# Altium PCB 2019.07.15.master.PcbDoc (part 4 of 7)
Units mm, origin at the board's own origin, x right, y up, seen from the top; angles counter-clockwise.
Board outline 160 x 120 mm, 6 copper layers (Top Signal, Top GND, Inner PWR, Inner Signal, Bottom GND, Bottom Signal), stack 1.571 mm thick; 408 components, 388 nets, 1700 pads, 1310 vias.
Unrouted connection lines stored in the file: 2.
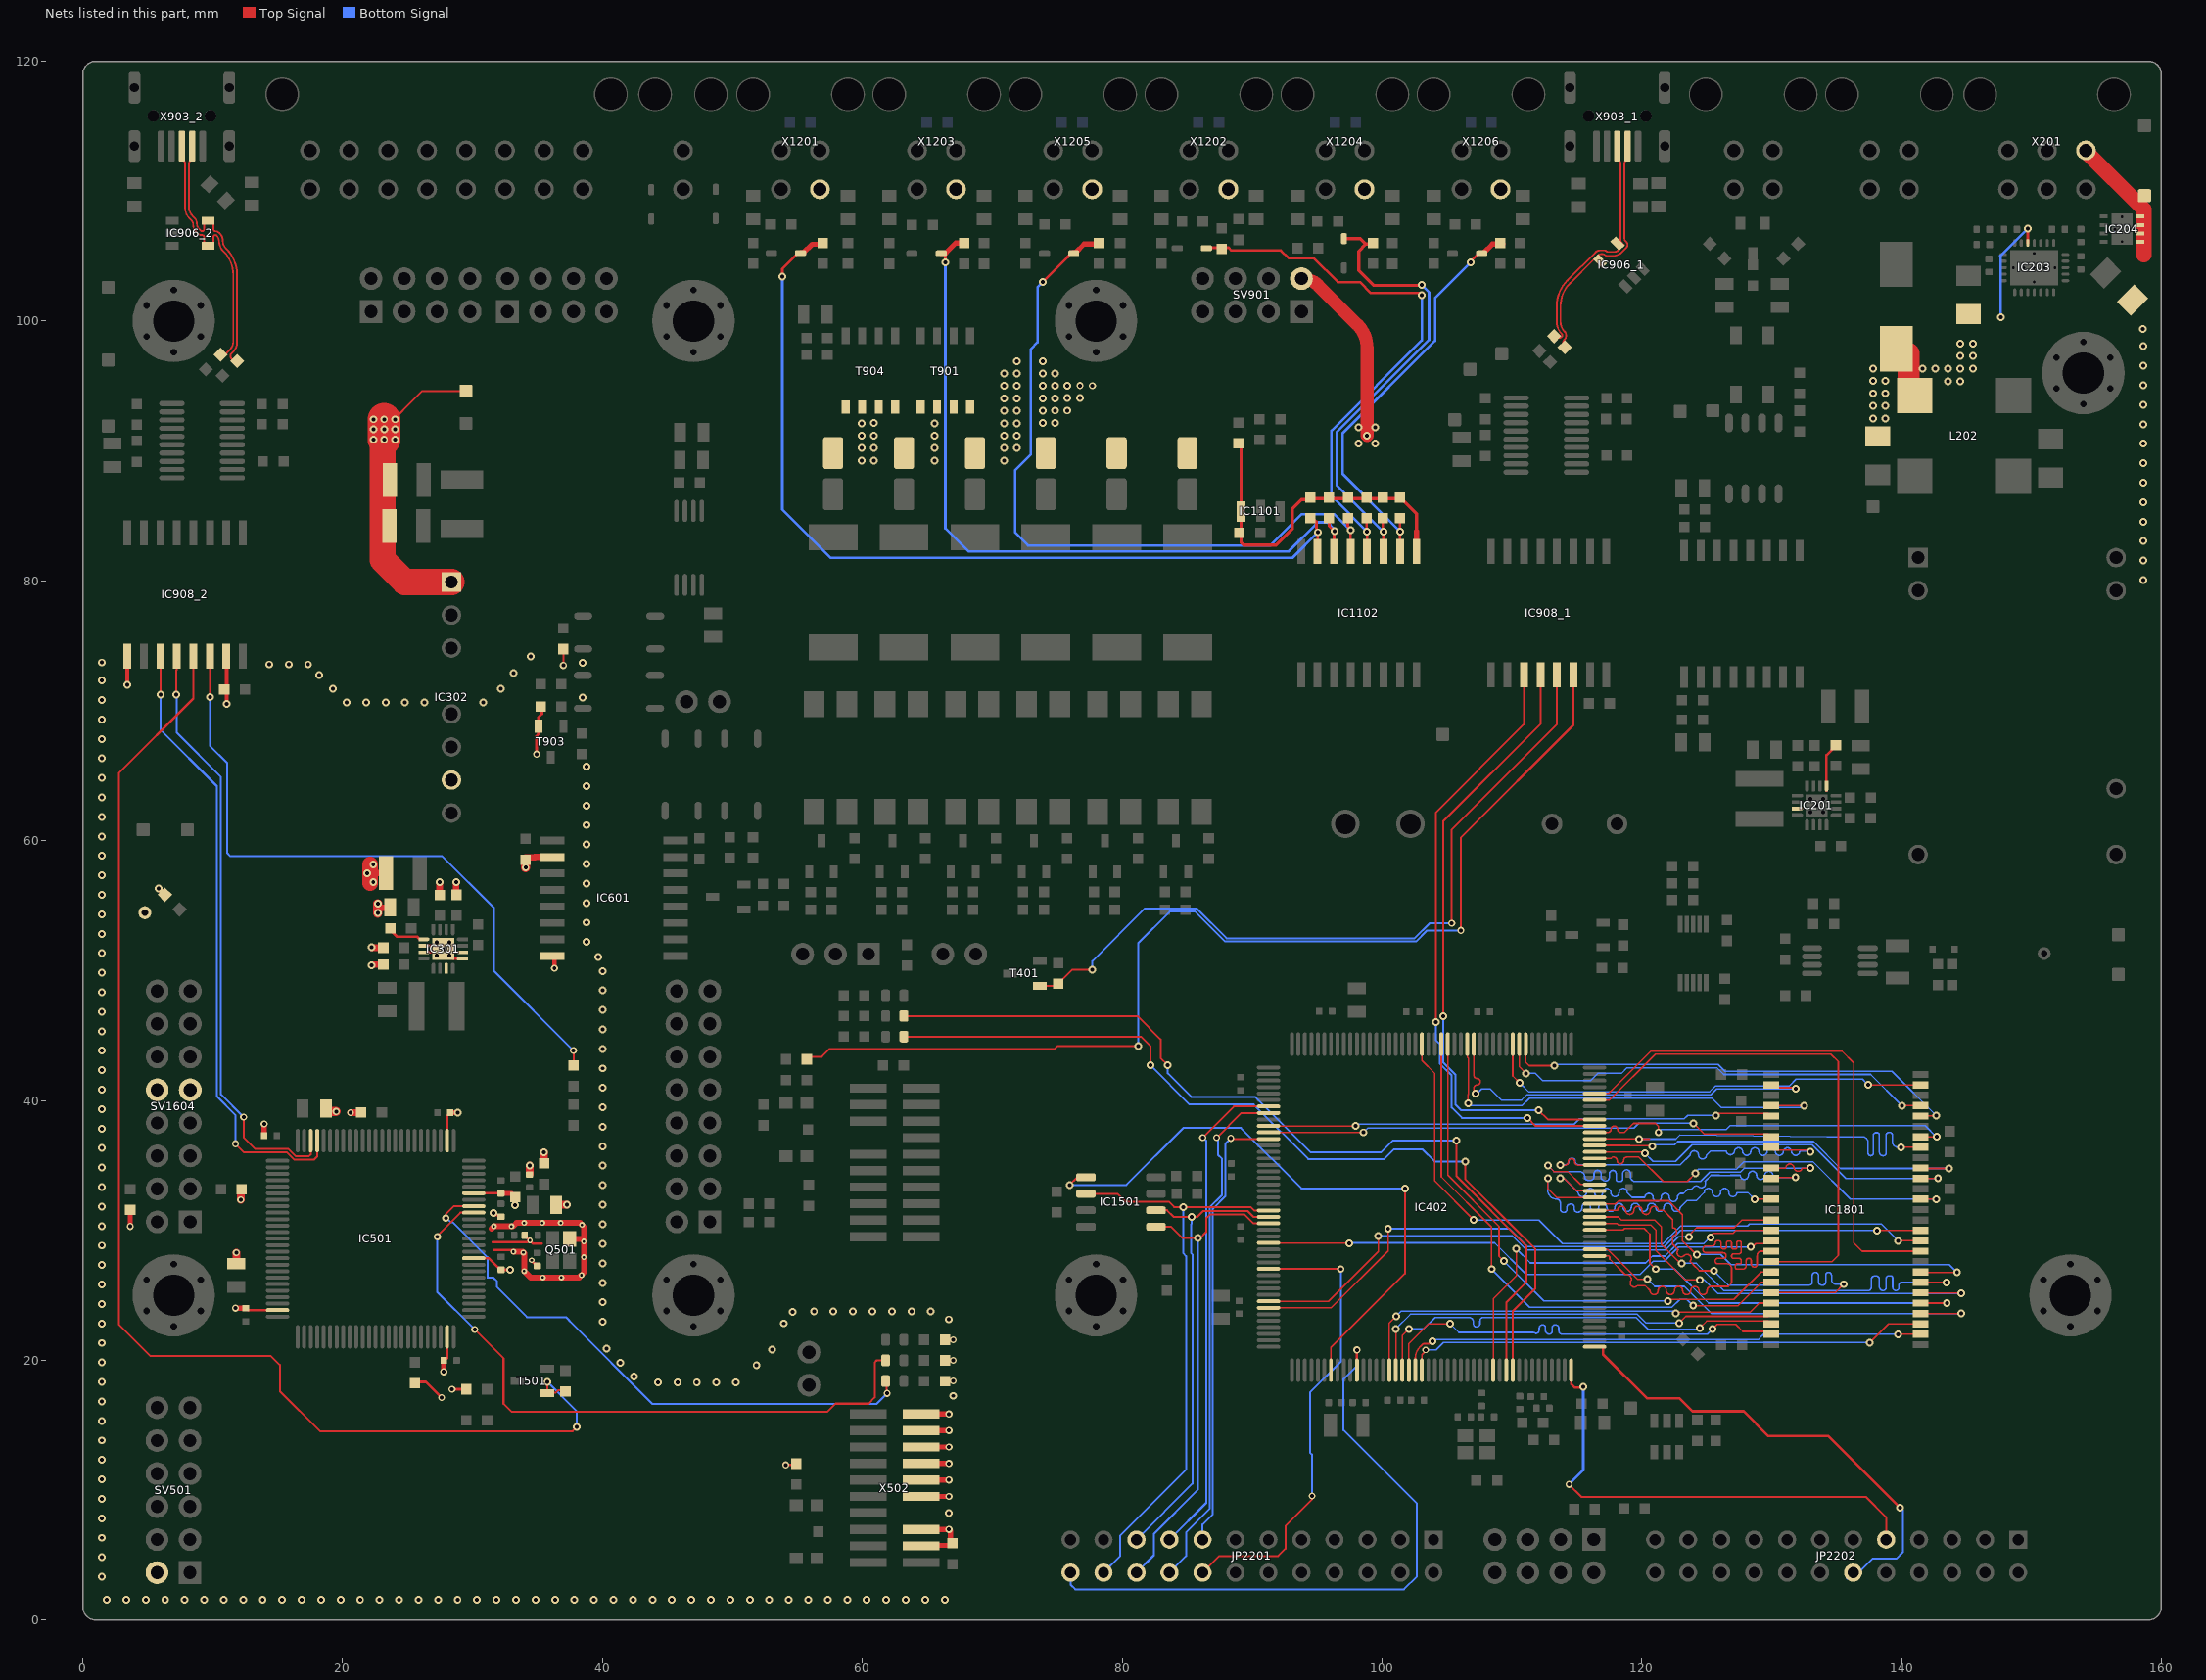
[diagram p8: the nets of this part, all layers, seen from the top]

## Via types
v1: diameter 0.6, hole 0.3, Top Signal to Bottom Signal, 988 vias
v2: diameter 0.55, hole 0.3, Top Signal to Bottom Signal, tented both sides, 231 vias
v3: diameter 0.5, hole 0.3, Top Signal to Bottom Signal, tented both sides, 42 vias
v4: diameter 0.45, hole 0.2, Top Signal to Bottom Signal, 31 vias
v5: diameter 0.55, hole 0.3, Top Signal to Bottom Signal, 12 vias
v6: diameter 0.6, hole 0.3, Top Signal to Bottom Signal, tented both sides, 5 vias
v7: diameter 0.5, hole 0.3, Top Signal to Bottom Signal, 1 vias

## Nets (pads, with @x,y where several pads share a name; then routed paths per layer and width w, separated by ;. In a path a pad name is that pad's centre, name@x,y a point inside that pad or via, vN(x,y) a via of type N, cw(c..) or ccw(c..) an arc to the next point about the centre after c; other vN are vias at no path point) (continued)
CONTACTOR_6_CONTROL: IC402.139 JP2201.17 | length 38.3
  Top Signal w0.152: v2(86.203,37.133) 88.604,39.534 IC402.139@91.273,39.534
  Bottom Signal w0.152: JP2201.17@83.65,6.19 86.482,9.022 86.482,23.048 86.475,23.054 86.475,23.513 86.482,23.519 86.482,24.494 86.475,24.501 86.475,24.959 86.482,24.966 86.482,36.884 86.233,37.133 v2(86.203,37.133)
CONTACTOR_6_FEEDBACK: IC402.140 JP2201.18 | length 40.1
  Top Signal w0.152: v2(87.279,37.133) 89.18,39.034 IC402.140@91.273,39.034
  Bottom Signal w0.152: JP2201.18@83.65,3.65 84.933,4.933 84.933,6.752 86.734,8.553 86.734,23.152 86.728,23.159 86.728,23.408 86.734,23.415 86.734,24.599 86.728,24.605 86.728,24.855 86.734,24.861 86.734,31.764 87.699,32.728 87.699,35.495 87.379,35.814 87.379,37.032 v2(87.279,37.133)
CONTACTOR_7_CONTROL: IC402.144 JP2201.15 | length 34.5
  Top Signal w0.152: v2(88.363,37.083) 88.413,37.034 IC402.144@91.072,37.034
  Bottom Signal w0.152: JP2201.15@86.19,6.19 86.19,7.348 86.987,8.145 86.987,23.257 86.98,23.263 86.98,23.303 86.987,23.31 86.987,24.703 86.98,24.71 86.98,24.75 86.987,24.757 86.987,31.659 87.951,32.623 87.951,36.671 v2(88.363,37.083)
CONTACTOR_7_FEEDBACK: IC402.164 JP2201.16 | length 36.1
  Top Signal w0.152: JP2201.16@86.19,3.65 87.468,4.928 92.013,4.928 92.572,5.487 92.572,7.239 94.615,9.282 v2(94.615,9.55) ; IC402.164@91.073,27.034 IC402.164@91.273,27.034 96.821,27.034 v2(96.837,27.017)
  Bottom Signal w0.152: v2@94.615,9.754 94.615,12.742 94.467,12.89 94.467,17.508 96.837,19.878 v2(96.837,27.017)
CONTACTOR_8_CONTROL: IC402.44 JP2202.9 | length 37.2
  Top Signal w0.152: v2(114.403,10.439) 115.368,9.474 137.248,9.474 138.812,7.91 JP2202.9@138.812,6.19
  Top Signal w0.2: IC402.44@114.572,19.234 114.572,18.168 114.847,17.893 115.451,17.893 v1(115.496,17.938)
  Bottom Signal w0.2: v2(114.403,10.439) 115.496,11.533 v1(115.496,17.938)
CONTACTOR_8_FEEDBACK: IC402.45 JP2202.12 | length 37.6
  Top Signal w0.2: IC402.45@116.372,21.034 116.976,21.034 117.022,20.988 117.022,20.46 120.424,17.058 122.912,17.058 123.903,16.068 127.846,16.068 129.75,14.164 134.363,14.164 v1(139.878,8.65)
  Bottom Signal w0.15: JP2202.12@135.813,3.191 JP2202.12@136.272,3.65 136.695,3.65 137.77,4.724 139.607,4.724 140.106,5.224 140.106,8.421 v1(139.878,8.65)
CONTACTOR_FEEDBACK_SUPPLY_EXT: C1103.1 C1104.1 IC1101.1 IC1102.1 R1107.2 R1108.2 R1109.2 R1110.2 R1111.2 R1112.2 | length 27.2
  Top Signal w0.254: C1104.1@88.951,90.664 89.161,90.454 C1103.1@89.161,83.95 ; C1103.1@89.211,83.9 C1103.1@89.161,83.95 ; 102.667,83.803 102.667,85.152 101.497,86.322 101.397,86.322 100.076,86.322 98.821,86.322 97.378,86.322 95.936,86.322 94.493,86.322 94.44,86.269 93.817,86.269 93.091,85.543 93.091,83.998 91.846,82.753 89.357,82.753 89.161,82.949 C1103.1@89.161,83.95
  Top Signal w0.4: IC1102.1@102.667,82.269 102.667,83.803
CONTACTORS_COMMON_NEG: D1001_1.2 D1001_2.2 D1001_3.2 D1001_4.2 D1001_5.2 D1001_6.2 T901.5 T901.6 T901.7 T901.8 T904.5 T904.6 T904.7 T904.8 X1201.4 X1202.4 X1203.4 X1204.4 X1205.4 X1206.4
  other v1: 59.944,89.268 60.909,89.268 65.55,89.268 70.917,89.268 59.944,90.221 60.909,90.221 65.55,90.221 70.917,90.221 71.882,90.221 59.944,91.173 60.909,91.173 65.55,91.173 70.917,91.173 71.882,91.173 59.944,92.126 65.55,92.126 70.917,92.126 71.882,92.126 60.909,92.151 73.889,92.151 74.841,92.151 70.917,93.104 71.882,93.104 73.889,93.104 74.841,93.116 75.794,93.116 70.917,94.056 71.882,94.056 73.889,94.056 74.841,94.056 75.794,94.082 76.746,94.082 70.917,95.009 71.882,95.009 73.889,95.009 74.841,95.021 75.794,95.021 70.917,95.961 71.882,95.961 73.889,95.961 74.841,95.961 71.882,96.914 73.889,96.914
  other v2: 77.711,95.021 76.759,95.034
D_1_N: IC906_1.5 R913_1.2 X903_1.2 | length 19.3
  Top Signal w0.14: R913_1.2@114.008,97.904 cw(c114.155,98.052) 113.947,98.052 113.947,98.309 cw(c114.353,98.309) 114.066,98.596 ccw(c113.778,98.883) 114.185,98.883 114.185,98.896 ccw(c113.757,98.896) 114.059,99.198 cw(c114.818,99.957) 113.745,99.957 113.745,101.129 cw(c116.285,101.129) 114.489,102.925 116.268,104.705 116.274,104.705 116.329,104.76 116.655,104.76 IC906_1.5@116.792,104.622 ; IC906_1.5@116.619,105.021 116.639,105.041 cw(c116.916,104.764) 116.916,105.156 116.979,105.156 cw(c116.979,104.85) 117.196,105.066 ccw(c117.286,105.157) 117.286,105.029 117.853,105.029 ccw(c117.853,105.877) 118.453,105.277 118.821,105.664 ; IC906_1.5@116.792,104.948 IC906_1.5@116.792,104.622 ; IC906_1.5@116.796,104.618 IC906_1.5@116.792,104.622 ; 118.826,105.67 ccw(c118.621,105.874) 118.91,105.874 118.91,105.876 ccw(c118.621,105.876) 118.826,106.081 118.788,106.118 cw(c119.083,106.413) 118.666,106.413 118.666,112.072 cw(c119.1,112.072) 118.793,112.379 ccw(c118.486,112.686) 118.92,112.686 X903_1.2@118.92,113.464
D_1_P: IC906_1.4 R914_1.2 X903_1.3 | length 18.7
  Top Signal w0.14: R914_1.2@113.19,98.768 ccw(c113.337,98.915) 113.337,98.706 113.671,98.706 ccw(c113.671,98.928) 113.828,98.771 113.852,98.795 ccw(c113.753,98.894) 113.893,98.894 ccw(c113.753,98.894) 113.852,98.993 cw(c114.813,99.955) 113.453,99.955 113.453,101.13 cw(c116.282,101.13) 114.282,103.131 116.451,105.301 cw(c116.782,104.97) 116.782,105.438 117.141,105.438 cw(c117.141,105.232) 117.286,105.377 ccw(c117.394,105.485) 117.394,105.333 117.944,105.333 ; 117.942,105.331 ccw(c117.942,105.65) 118.167,105.425 118.618,105.875 118.374,106.119 118.374,112.072 ccw(c117.94,112.072) 118.247,112.379 cw(c118.553,112.686) 118.12,112.686 X903_1.3@118.12,113.464
D_2_N: IC906_2.5 R913_2.2 X903_2.2 | length 20.6
  Top Signal w0.14: X903_2.2@8.425,113.464 8.425,112.686 cw(c7.991,112.686) 8.298,112.379 ccw(c8.605,112.072) 8.171,112.072 8.171,108.802 ccw(c9.223,108.802) 8.479,108.058 8.613,107.924 cw(c8.191,107.503) 8.787,107.503 8.787,107.499 ccw(c9.375,107.499) 8.959,107.084 9.091,106.953 ccw(c9.189,107.051) 9.189,106.912 ccw(c9.189,107.051) 9.288,106.953 ccw(c9.189,107.051) 9.329,107.051 9.329,107.393 cw(c9.551,107.393) 9.394,107.551 cw(c9.551,107.393) 9.551,107.616 IC906_2.5@9.737,107.616 ; IC906_2.5@9.637,107.716 9.674,107.716 cw(c9.674,107.323) 9.812,107.691 cw(c9.674,107.323) 9.952,107.601 cw(c9.674,107.323) 10.067,107.323 10.067,107.051 ccw(c10.206,107.051) 10.108,106.953 ccw(c10.206,107.051) 10.206,106.912 10.208,106.912 cw(c10.208,106.484) 10.511,106.786 10.535,106.762 cw(c9.947,106.175) 10.778,106.175 ccw(c11.609,106.175) 11.021,105.587 11.046,105.563 cw(c9.045,103.562) 11.874,103.562 11.874,98.307 cw(c10.994,98.307) 11.617,97.684 11.437,97.504 ccw(c11.625,97.316) 11.359,97.316 ccw(c11.625,97.316) 11.437,97.128 11.639,96.925 ccw(c11.82,97.106) R913_2.2@11.82,96.85
  Top Signal w0.152: IC906_2.5@9.674,107.716 9.837,107.716 9.812,107.691 IC906_2.5@9.737,107.616
D_2_P: IC906_2.4 R914_2.2 X903_2.3 | length 20.2
  Top Signal w0.14: X903_2.3@7.625,113.464 7.625,112.686 ccw(c8.058,112.686) 7.752,112.379 cw(c7.445,112.072) 7.879,112.072 7.879,108.681 ccw(c8.931,108.681) 8.187,107.937 8.321,107.803 ; 8.321,107.803 cw(c7.899,107.382) 8.495,107.382 ccw(c9.091,107.382) 8.67,106.96 8.927,106.703 ccw(c9.129,106.905) 9.129,106.62 9.189,106.62 cw(c9.189,106.48) 9.288,106.579 cw(c9.189,106.48) 9.329,106.48 9.329,106.212 ccw(c9.889,106.212) IC906_2.4@9.493,105.816 ; IC906_2.4@9.637,105.816 9.674,105.816 ccw(c9.674,106.208) 9.952,105.931 ccw(c9.674,106.208) 10.067,106.208 10.067,106.48 cw(c10.206,106.48) 10.108,106.579 cw(c10.206,106.48) 10.206,106.62 cw(c10.206,106.48) 10.305,106.579 cw(c9.869,106.143) 10.486,106.143 ccw(c11.531,106.143) 10.792,105.404 ; R914_2.2@10.528,97.345 10.536,97.337 10.748,97.337 ccw(c10.748,97.755) 11.043,97.459 ccw(c10.988,97.515) 11.066,97.515 cw(c11.145,97.515) 11.089,97.57 11.324,97.805 ccw(c10.702,98.428) 11.582,98.428 11.582,103.561 ccw(c9.042,103.561) 10.838,105.357 10.792,105.404
  Top Signal w0.152: IC906_2.4@9.637,105.816 9.493,105.816 IC906_2.4@9.637,105.959
DATA_STORAGE_SPI_EEPROM_CS: IC402.7 IC1501.1 | length 47.3
  Top Signal w0.15: v1(75.955,33.486) 76.551,34.082 IC1501.1@77.21,34.082 ; IC402.7@96.073,19.234 96.073,20.972 101.778,26.677 v1@101.778,33.147
  Bottom Signal w0.15: v1(75.955,33.486) 80.324,33.486 84.709,37.871 89.154,37.871 93.802,33.223 v1(101.778,33.223)
DATA_STORAGE_SPI_Memory_NSS: IC402.11 JP2201.24 | length 49.9
  Top Signal w0.2: IC402.11@98.072,19.234 v5(98.072,20.797)
  Bottom Signal w0.15: JP2201.24@76.03,3.65 76.03,2.729 76.397,2.362 101.702,2.362 102.692,3.353 102.692,8.965 97.045,14.612 97.045,18.541 98.072,19.569 v5(98.072,20.797)
DATA_STORAGE_SPI_MISO: IC402.155 IC1501.2 JP2201.22 | length 46.1
  Top Signal w0.152: IC1501.2@77.21,32.812 79.627,32.812 80.232,32.207 83.599,32.207 84.006,31.801 v1(84.72,31.801) 89.894,31.801 90.161,31.534 IC402.155@91.273,31.534
  Bottom Signal w0.152: JP2201.22@78.11,3.19 JP2201.22@78.57,3.65 79.858,4.938 79.858,6.502 84.933,11.578 84.933,28.013 84.72,28.226 v1(84.72,31.801)
DATA_STORAGE_SPI_MOSI: IC402.157 IC1501.5 JP2201.20 | length 38.8
  Top Signal w0.152: IC1501.5@82.61,30.272 83.775,30.272 84.645,29.403 v1(85.833,29.403) 86.006,29.403 86.482,29.879 86.482,30.921 86.79,31.229 89.413,31.229 90.108,30.534 IC402.157@91.072,30.534
  Bottom Signal w0.152: JP2201.20@80.65,3.19 JP2201.20@81.11,3.65 82.448,4.988 82.448,6.645 85.833,10.03 v1(85.833,29.403)
DATA_STORAGE_SPI_SCK: IC402.156 IC1501.6 JP2201.19 | length 35.9
  Top Signal w0.152: IC1501.6@82.61,31.542 83.462,31.542 83.97,31.034 v1(85.335,31.034) 85.777,31.034 86.225,31.482 89.68,31.482 90.128,31.034 IC402.156@91.273,31.034
  Bottom Signal w0.152: JP2201.19@81.11,6.19 85.42,10.5 85.42,28.136 85.33,28.226 85.33,30.481 85.335,30.486 v1(85.335,31.034)
DEBUG_LED_0_MCU_0: IC402.35 LED402.2 | length 67.7
  Top Signal w0.15: LED402.2@63.2,44.911 81.439,44.911 82.194,44.156 v1(82.194,42.723) ; v1(106.401,35.306) 106.401,33.959 110.082,30.277 ; IC402.35@110.073,19.172 IC402.35@110.073,19.234 110.073,23.792 111.811,25.53 111.811,28.553 110.073,30.292
  Bottom Signal w0.15: v1(82.194,42.723) 82.194,42.697 85.196,39.695 90.122,39.695 94.328,35.489 100.184,35.489 100.909,36.214 103.139,36.214 104.048,35.306 v1(106.401,35.306)
DEBUG_LED_0_MCU_1: IC501.18 LED502.2 | length 45.3
  Top Signal w0.152: v2(27.94,30.937) 27.94,31.242 28.552,31.854 IC501.18@30.092,31.854 IC501.18@30.292,31.854 ; LED502.2@61.8,18.4 61.856,18.344 61.856,17.504 v2(61.912,17.448)
  Bottom Signal w0.152: v2(27.94,30.937) 27.991,30.937 28.302,30.626 28.456,30.626 31.15,27.932 31.15,26.367 31.159,26.357 31.586,26.357 31.881,26.062 31.881,25.636 34.193,23.323 37.187,23.323 37.467,23.043 37.467,23.01 43.84,16.637 61.102,16.637 v2(61.912,17.448)
DEBUG_LED_1_MCU_0: IC402.34 LED401.2 | length 69.1
  Top Signal w0.15: LED401.2@63.2,46.499 81.174,46.499 82.967,44.706 82.967,43.271 v1(83.515,42.723) ; v1(105.74,36.925) 105.74,34.177 111.122,28.795 111.122,25.983 109.573,24.434 IC402.34@109.573,19.234
  Bottom Signal w0.15: v1(83.515,42.723) 83.515,42.083 85.317,40.281 90.244,40.281 94.535,35.989 99.923,35.989 100.858,36.925 v1(105.74,36.925)
DEBUG_LED_1_MCU_1: IC501.17 LED501.2 | length 51.6
  Top Signal w0.152: v2(27.295,29.505) 27.295,29.581 29.068,31.354 IC501.17@30.092,31.354 IC501.17@30.293,31.354 ; v2(30.162,22.369) 32.385,20.146 32.385,16.654 33.02,16.019 57.309,16.019 57.944,16.654 60.484,16.654 60.96,17.13 60.96,19.829 61.119,19.988 LED501.2@61.75,19.988
  Bottom Signal w0.152: v2(27.295,29.505) 27.28,29.489 27.28,25.252 v2(30.162,22.369)
EN_3.3_0: IC201.13 R204.1 | length 4
  Top Signal w0.2: IC201.13@134.221,63.839 IC201.13@134.221,64.188 ; IC201.13@134.221,64.338 134.221,66.569 134.646,66.994 134.646,67.054 134.916,67.324 R204.1@134.977,67.324 ; R204.1@134.849,67.196 R204.1@134.977,67.324 ; R204.1@135.107,67.454 R204.1@134.977,67.324
EN_3.3_1: IC301.13 R304.1 | length 3
  Top Signal w0.2: R304.1@23.56,53.231 24.185,52.606 25.735,52.606 25.935,52.406 IC301.13@26.26,52.406
FB_EXT_0: D1101.1 IC1102.7 R1101.2@56.941,106.018 R1107.1 | length 69
  Top Signal w0.2: v1(53.848,103.429) 53.848,104.028 55.052,105.232 D1101.1@55.252,105.232 ; R1107.1@94.493,84.922 94.593,84.922 94.963,84.552 94.963,84.052 94.992,84.023 94.992,83.768 v1@95.047,83.713 ; IC1102.7@95.047,82.269 v1@95.047,83.713 ; v1(95.069,83.735) v1@95.047,83.713
  Top Signal w0.4: D1101.1@55.252,105.232 55.277,105.257 55.477,105.257 56.138,105.918 R1101.2@56.941,105.918
  Bottom Signal w0.2: v1(53.848,103.429) 53.848,85.496 57.582,81.763 93.096,81.763 v1(95.069,83.735)
FB_EXT_1: D1103.1 IC1102.6 R1102.2@67.843,106.007 R1109.1 | length 58
  Top Signal w0.2: D1103.1@66.266,105.218 66.39,105.094 66.39,104.981 66.396,104.976 v1(66.396,104.507) ; R1109.1@95.936,84.922 R1109.1@95.936,84.822 95.936,84.201 v1@96.317,83.82 ; IC1102.6@96.317,82.269 v1@96.317,83.82 ; v1(96.342,83.845) v1@96.317,83.82
  Top Signal w0.4: D1103.1@66.073,105.218 66.266,105.218 66.407,105.218 67.196,106.007 67.755,106.007 R1102.2@67.843,105.918
  Bottom Signal w0.2: v1(66.396,104.507) 66.396,84.046 68.173,82.269 92.832,82.269 95.069,84.506 95.809,84.506 v1@96.329,83.985
FB_EXT_2: D1105.1 IC1102.5 R1103.2@78.232,106.018 R1111.1 | length 55.9
  Top Signal w0.2: v1(73.889,102.997) 75.812,104.92 75.812,104.954 76.075,105.218 D1105.1@76.275,105.218 ; R1111.1@97.378,84.922 97.378,84.217 97.587,84.008 v1(97.587,83.9) 97.587,83.371 ; IC1102.5@97.587,82.269 97.587,83.321
  Top Signal w0.4: D1105.1@76.196,105.243 76.221,105.268 76.421,105.268 77.082,105.929 R1103.2@77.885,105.929
  Bottom Signal w0.2: v1(73.889,102.997) 73.493,102.602 73.493,98.36 72.974,97.841 72.974,89.738 71.755,88.519 71.755,83.735 72.762,82.728 91.415,82.728 93.802,85.115 96.342,85.115 97.558,83.9 v1(97.587,83.9)
FB_EXT_3: D1102.1 IC1102.4 R1104.1@87.655,105.547 R1108.1 | length 43.2
  Top Signal w0.2: R1104.1@87.655,105.647 88.207,105.647 88.419,105.435 92.227,105.435 92.812,104.851 94.752,104.851 96.606,102.997 98.298,102.997 99.136,102.159 103.149,102.159 103.073,102.083 v1(103.073,102.008) ; R1108.1@98.821,84.922 R1108.1@98.821,84.822 98.821,83.839 v1(98.857,83.803) IC1102.4@98.857,82.269
  Top Signal w0.254: D1102.1@86.494,105.613 86.528,105.647 R1104.1@87.655,105.647
  Bottom Signal w0.2: v1(98.857,83.803) 96.114,86.547 96.114,91.567 103.073,98.527 v1(103.073,102.008)
FB_EXT_4: D1104.1 IC1102.3 R1105.1@99.314,106.018 R1110.1 | length 36.4
  Top Signal w0.2: R1110.1@100.076,84.922 R1110.1@100.076,84.822 100.076,83.803 v1@100.084,83.795 ; IC1102.3@100.127,82.269 100.127,83.574 100.084,83.616 v1@100.084,83.795 ; v1(100.127,83.795) v1@100.084,83.795
  Top Signal w0.254: D1104.1@97.079,106.343 98.337,106.343 98.762,105.918 ; R1105.1@99.314,105.918 98.762,105.918 ; v1(103.073,102.768) 103.048,102.743 99.374,102.743 98.222,103.895 98.222,105.377 98.762,105.918
  Bottom Signal w0.2: v1(100.127,83.795) 100.084,83.795 96.52,87.359 96.52,91.44 103.632,98.552 103.632,102.21 v1(103.073,102.768)
FB_EXT_5: D1106.1 IC1102.2 R1106.1@109.114,106.018 R1112.1 | length 32.2
  Top Signal w0.2: IC1102.2@101.397,82.269 v1(101.397,83.803) R1112.1@101.397,84.822 R1112.1@101.397,84.922 ; v1(106.844,104.507) 106.844,104.578 107.484,105.218 D1106.1@107.684,105.218
  Top Signal w0.4: D1106.1@107.854,105.268 108.514,105.929 R1106.1@109.317,105.929
  Bottom Signal w0.2: v1(101.397,83.803) 96.977,88.223 96.977,91.364 104.089,98.476 104.089,101.752 v1(106.844,104.507)
FMC_MCU_0_RAM_A0: IC402.16 IC1801.23 | length 34
  Top Signal w0.12: IC402.16@100.573,19.234 100.573,22.866 v1(101.092,23.385) ; v1(122.628,23.596) 122.528,23.596 122.626,23.694 128.342,23.694 129.044,24.396 IC1801.23@129.966,24.396
  Bottom Signal w0.12: v1(101.092,23.385) 101.483,23.776 122.447,23.776 v1(122.628,23.596)
FMC_MCU_0_RAM_A1: IC402.17 IC1801.24 | length 33.6
  Top Signal w0.12: IC402.17@101.072,19.234 v1(101.072,22.418) 100.936,22.554 v1@101.244,22.554 ; v1(122.871,22.86) 123.392,23.381 129.751,23.381 IC1801.24@129.966,23.596
  Bottom Signal w0.12: v1(101.072,22.418) 102.191,23.536 119.672,23.536 120.349,22.86 v1(122.871,22.86)
FMC_MCU_0_RAM_A2: IC402.18 IC1801.25 | length 33.4
  Top Signal w0.12: IC402.18@101.573,19.234 101.573,21.918 v1(102.072,22.418) ; v1(124.475,22.491) 124.992,23.009 129.753,23.009 IC1801.25@129.966,22.796
  Bottom Signal w0.12: v1(102.072,22.418) 103.218,22.418 104.097,23.296 106.687,23.296 cw(c106.687,22.933) 107.051,22.933 107.051,22.791 ccw(c107.283,22.791) 107.283,22.559 ccw(c107.283,22.827) 107.551,22.827 107.551,23.032 cw(c107.815,23.032) 107.815,23.296 119.573,23.296 120.496,22.373 124.356,22.373 v1(124.475,22.491)
FMC_MCU_0_RAM_A3: IC402.19 IC1801.26 | length 33.5
  Top Signal w0.12: IC402.19@102.072,19.234 102.072,21.272 103.61,22.809 v1(105.258,22.809) ; v1(125.444,22.395) 125.807,22.758 127.236,22.758 127.784,22.211 129.751,22.211 IC1801.26@129.966,21.996
  Bottom Signal w0.12: v1(105.258,22.809) 105.927,22.14 111.618,22.14 cw(c111.618,21.845) 111.793,22.083 ccw(c111.865,22.178) 111.896,22.062 ccw(c111.827,22.331) 112.105,22.331 112.105,22.46 cw(c112.371,22.46) 112.371,22.725 cw(c112.371,22.509) 112.587,22.509 112.587,22.307 ccw(c112.883,22.307) 112.883,22.01 112.895,22.01 ccw(c112.895,22.217) 113.101,22.217 113.101,22.501 cw(c113.325,22.501) 113.325,22.725 113.364,22.725 cw(c113.364,22.471) 113.619,22.471 113.619,22.27 ccw(c113.884,22.27) 113.884,22.004 125.053,22.004 v1(125.444,22.395)
FMC_MCU_0_RAM_A4: IC402.20 IC1801.29 | length 40.9
  Top Signal w0.12: IC402.20@102.573,19.234 102.573,20.166 cw(c103.799,20.166) 102.932,21.034 103.114,21.216 cw(c103.249,21.08) 103.249,21.272 103.695,21.272 ccw(c103.695,21.473) v1(103.897,21.473) ; v1(139.725,21.996) IC1801.29@141.466,21.996
  Bottom Signal w0.12: v1(103.897,21.473) 104.026,21.603 128.994,21.603 129.386,21.996 v1(139.725,21.996)
FMC_MCU_0_RAM_A5: IC402.21 IC1801.30 | length 40.6
  Top Signal w0.12: IC402.21@103.072,19.234 103.072,20.412 v7@103.452,20.792 ; v1(137.528,21.331) 138.993,22.796 IC1801.30@141.466,22.796
  Bottom Signal w0.12: v7@103.452,20.792 104.176,20.792 104.747,21.363 137.496,21.363 v1(137.528,21.331)
  other v7: 103.363,20.792
FMC_MCU_0_RAM_A6: IC402.60 IC1801.31 | length 33.4
  Top Signal w0.12: IC402.60@116.372,28.534 117.379,28.534 119.685,26.228 v1(120.451,26.228) ; IC1801.31@141.466,23.596 v1(144.577,23.596)
  Bottom Signal w0.12: v1(120.451,26.228) 120.999,25.679 123.292,25.679 125.375,23.596 v1(144.577,23.596)
FMC_MCU_0_RAM_A7: IC402.63 IC1801.32 | length 32.9
  Top Signal w0.12: IC402.63@116.372,30.034 118.569,30.034 118.688,30.153 120.183,30.153 120.625,29.711 120.625,27.471 v1(121.079,27.017) ; IC1801.32@141.466,24.396 v1(143.482,24.396)
  Bottom Signal w0.12: v1(121.079,27.017) 122.528,27.017 125.149,24.396 v1(143.482,24.396)
FMC_MCU_0_RAM_A8: IC402.64 IC1801.33 | length 34.5
  Top Signal w0.12: IC402.64@116.372,30.534 118.091,30.534 118.209,30.415 120.697,30.415 121.082,30.03 121.082,28.445 123.339,26.187 v1(124.475,26.187) ; IC1801.33@141.466,25.196 141.499,25.163 v1(144.577,25.163)
  Bottom Signal w0.12: v1(124.475,26.187) 124.816,26.187 125.881,25.122 144.536,25.122 v1(144.577,25.163)
FMC_MCU_0_RAM_A9: IC402.65 IC1801.34 | length 36.5
  Top Signal w0.12: IC402.65@116.372,31.034 118.203,31.034 118.441,30.796 121.005,30.796 121.5,30.301 121.5,28.932 123.063,27.369 v1(123.063,27.457) ; IC1801.34@141.466,25.996 141.469,25.993 v1(143.465,25.993)
  Bottom Signal w0.12: v1(123.063,27.457) 124.211,27.457 126.307,25.362 137.431,25.362 ccw(c137.431,25.598) 137.668,25.598 137.668,26.205 cw(c137.959,26.205) 137.959,26.495 138.024,26.495 cw(c138.024,26.228) 138.292,26.228 138.292,25.651 ccw(c138.581,25.651) 138.581,25.362 ccw(c138.581,25.597) 138.816,25.597 138.816,26.286 cw(c139.033,26.286) 139.033,26.503 139.139,26.503 cw(c139.139,26.323) 139.319,26.323 139.319,25.606 ccw(c139.563,25.606) 139.563,25.362 ccw(c139.563,25.597) 139.799,25.597 139.799,25.785 cw(c140.007,25.785) 140.007,25.993 v1(143.465,25.993)